# Altium PCB VOU_SOM_CV_V0.0.1.PcbDoc (part 3 of 4)
Units mm, origin at the board's own origin, x right, y up, seen from the top; angles counter-clockwise.
Board outline 61 x 95 mm, 7 copper layers (Top Layer, PWR1, INT1, INT2, INT3, PWR2, Bottom Layer), stack 1.443 mm thick; 497 components, 649 nets, 3023 pads, 1241 vias.
Unrouted connection lines stored in the file: 1434.
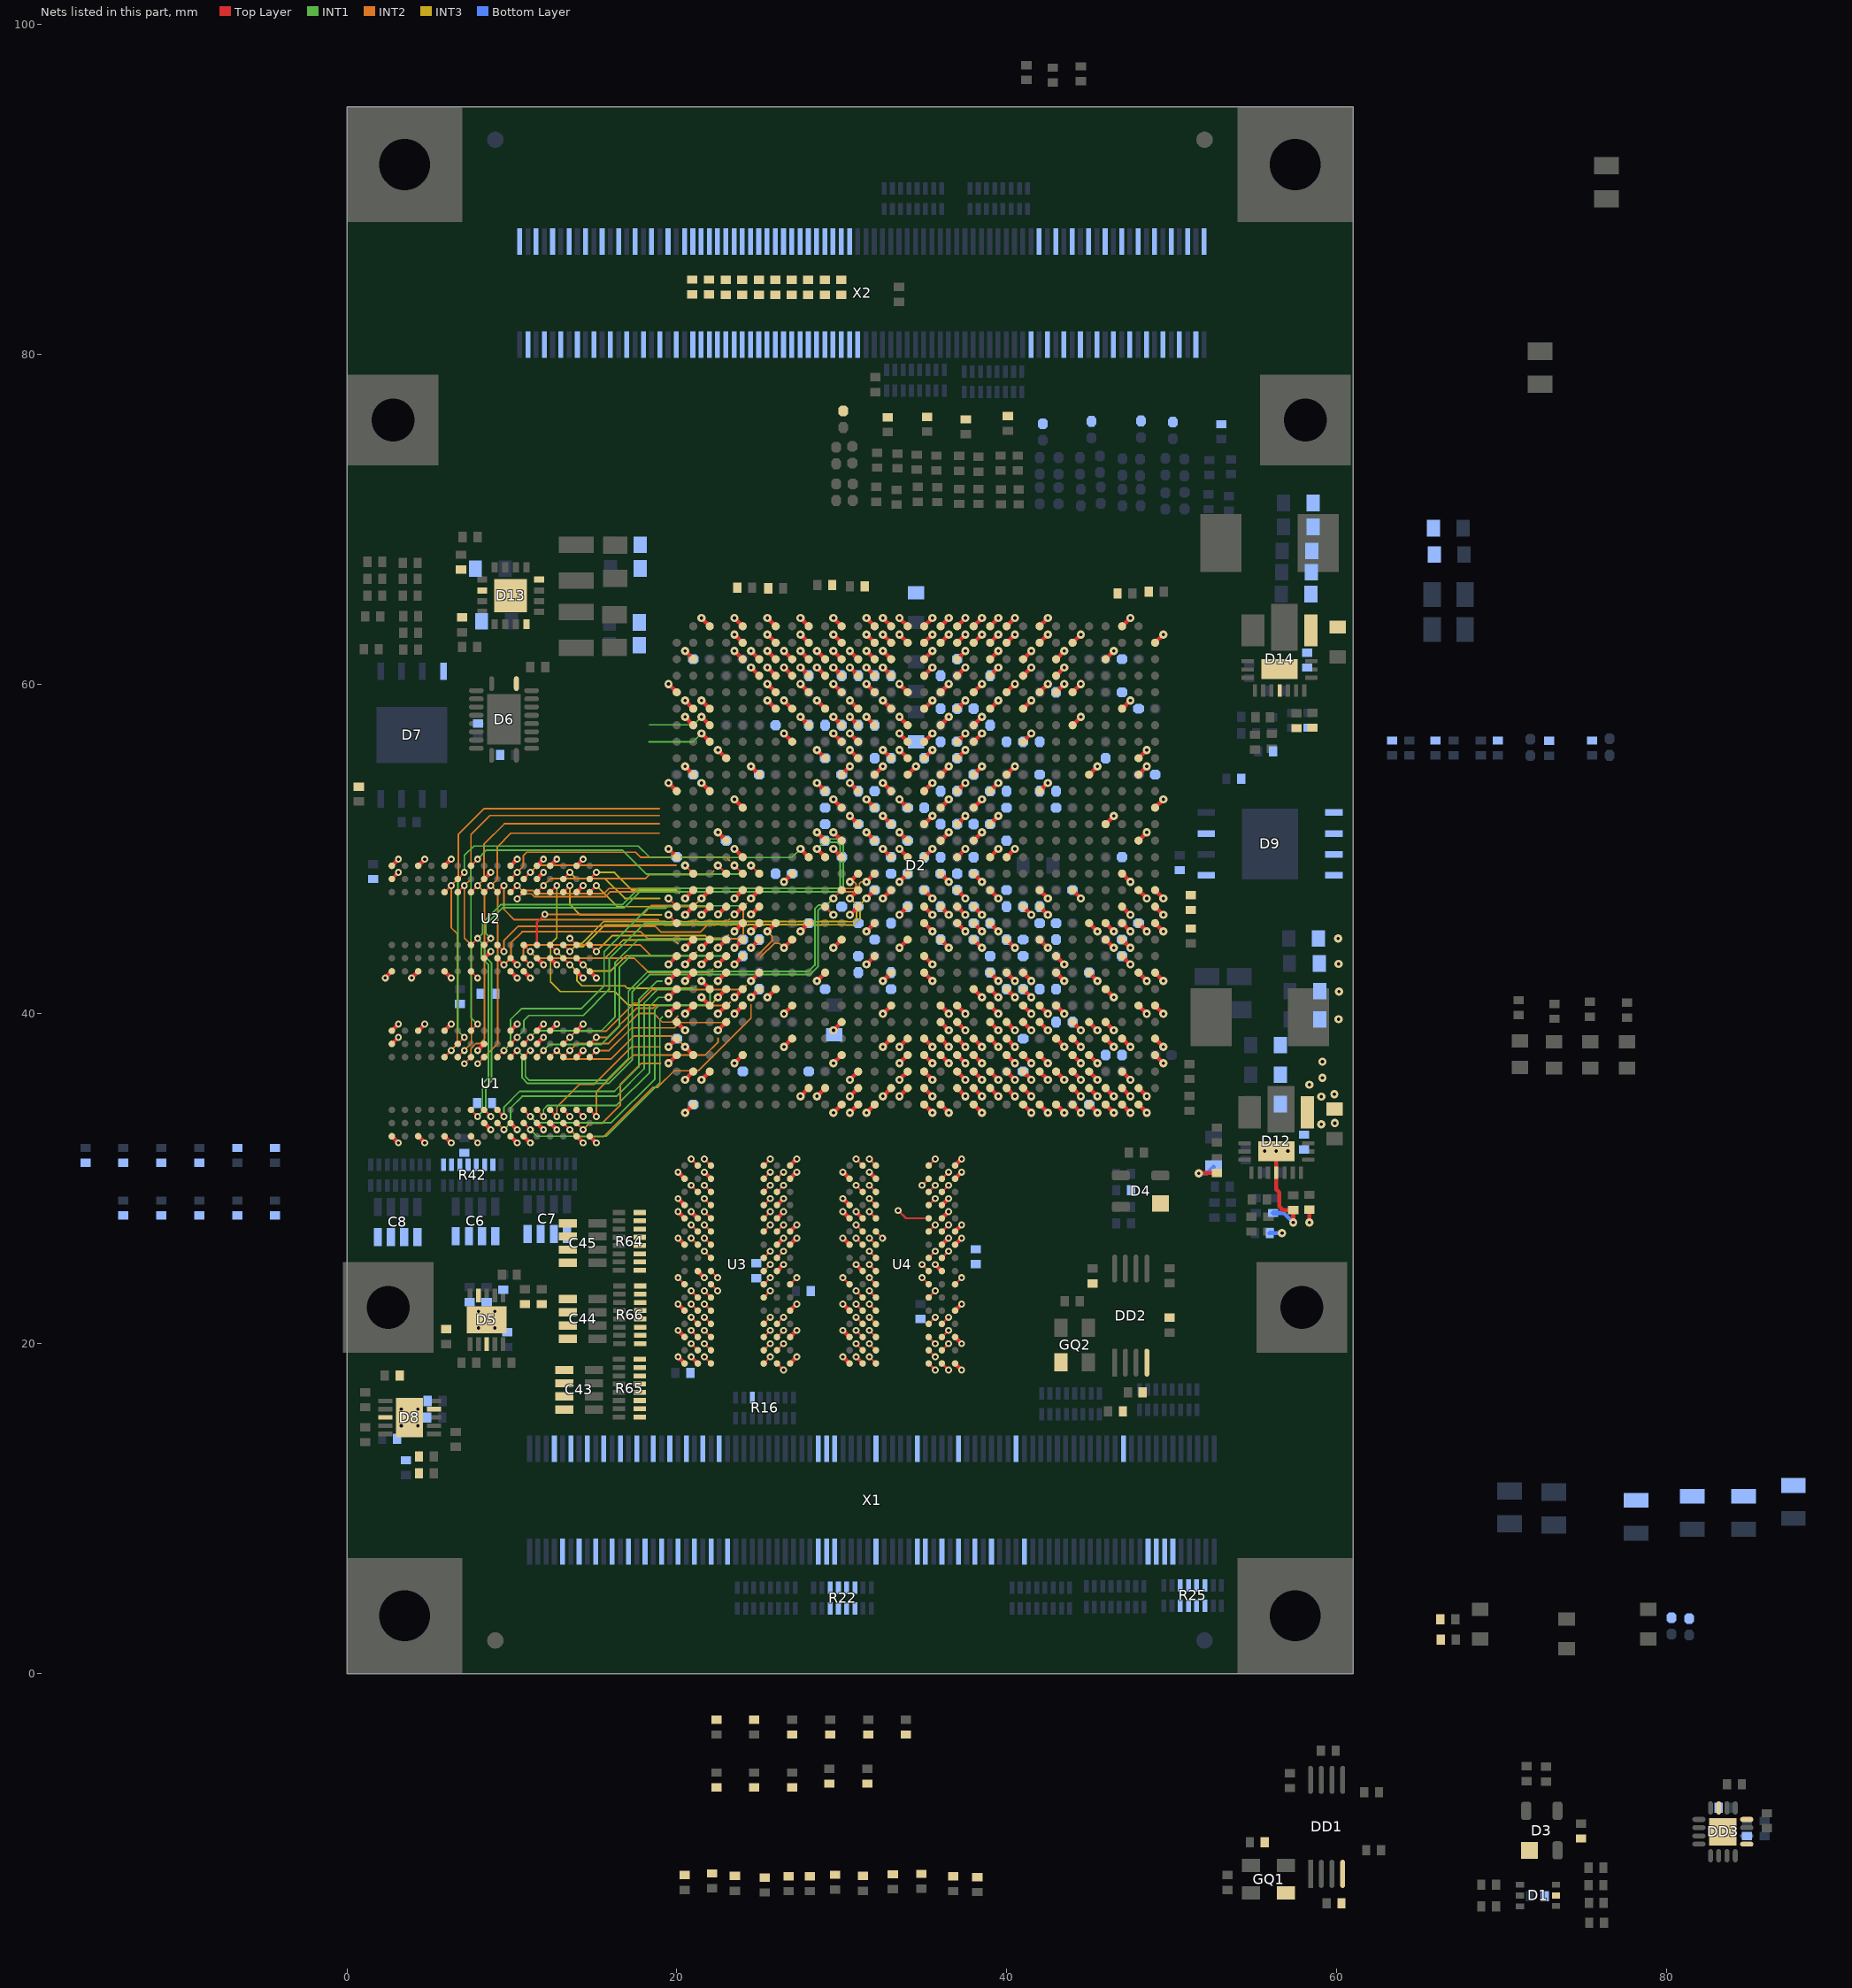
[diagram p6: the nets of this part, all layers, seen from the top]

## Via types
v1: diameter 0.5, hole 0.2, Top Layer to Bottom Layer, 875 vias
v2: diameter 0.42, hole 0.2, Top Layer to Bottom Layer, 366 vias

## Nets (pads, with @x,y where several pads share a name; then routed paths per layer and width w, separated by ;. In a path a pad name is that pad's centre, name@x,y a point inside that pad or via, vN(x,y) a via of type N, cw(c..) or ccw(c..) an arc to the next point about the centre after c; other vN are vias at no path point) (continued)
FPGA_DDR_BA2: D2.AK11 R42.7 U1.M3 U2.M3 | length 28.3
  Top Layer w0.12: U1.M3@5.925,37.375 v2(6.325,37.775) ; U2.M3@5.925,47.375 v2(6.325,47.775)
  Top Layer w0.25: v1(19.5,54) D2.AK11@20,53.5
  INT2 w0.1: v2(6.325,37.775) 6.695,38.145 6.695,44.855 6.325,45.225 v2(6.325,47.775) 6.75,48.2 6.75,50.875 8.325,52.45 18.95,52.45
FPGA_DDR_CAS#: D2.AH7 R42.4 U1.K3 U2.K3 | length 30.6
  Top Layer w0.12: v2(7.125,36.975) U1.K3@7.525,37.375 ; U2.K3@7.525,47.375 v2(7.925,47.775)
  Top Layer w0.25: v1(21.5,58) D2.AH7@22,57.5
  INT1 w0.1: 18.35,57.525 21.025,57.525 v1(21.5,58)
  INT2 w0.1: v2(7.125,36.975) 7.525,37.375 7.525,37.898 7.832,38.205 8.078,38.205 8.35,38.477 8.35,47.35 v2(7.925,47.775) 8.325,48.175 8.325,50.3 9.55,51.525 18.95,51.525
FPGA_DDR_CK_H_N: D2.AA15 R53.1 U1.K7 U2.K7 | length 41
  Top Layer w0.1: U2.K7@7.525,44.175 v2(7.925,44.575)
  Top Layer w0.12: U1.K7@7.525,34.175 v2(7.925,33.775)
  Top Layer w0.25: v1(28.5,50) D2.AA15@29,49.5
  INT1 w0.1: v2(7.925,33.775) 8.225,34.075 8.225,35.758 8.575,36.108 8.575,42.992 8.15,43.417 8.15,44.35 v2(7.925,44.575) 8.225,44.875 8.225,45.508 9.342,46.625 16.717,46.625 17.692,47.6 29.9,47.6 29.9,50.225 29.725,50.4 28.9,50.4 v1(28.5,50)
FPGA_DDR_CK_H_P: D2.AA14 R53.2 U1.J7 U2.J7 | length 41.5
  Top Layer w0.1: U2.J7@8.325,44.175 v2(8.725,44.575)
  Top Layer w0.12: U1.J7@8.325,34.175 v2(8.725,33.775)
  Top Layer w0.25: v1(28.5,51) D2.AA14@29,50.5
  INT1 w0.1: v2(8.725,33.775) 8.425,34.075 8.425,35.592 8.775,35.942 8.775,43.075 8.355,43.495 8.355,44.205 v2(8.725,44.575) 8.425,44.875 8.425,45.425 9.425,46.425 16.8,46.425 17.775,47.4 30.1,47.4 30.1,50.308 29.808,50.6 28.9,50.6 v1(28.5,51)
FPGA_DDR_CKE: D2.AJ21 R42.6 R190.2 U1.K9 U2.K9 | length 1.8
  Top Layer w0.12: U1.K9@7.525,32.575 v2(7.925,32.175) ; U2.K9@7.525,42.575 v2(7.925,42.175)
  Top Layer w0.25: v1(20.5,43) D2.AJ21@21,43.5
FPGA_DDR_CS#: D2.AB15 R42.2 U1.L2 U2.L2 | length 34.3
  Top Layer w0.12: U1.L2@6.725,38.175 v2(7.125,38.575) ; U2.L2@6.725,48.175 v2(7.125,48.575)
  Top Layer w0.25: v1(27.5,50) D2.AB15@28,49.5
  INT1 w0.1: v2(7.125,38.575) 6.725,38.975 6.725,48.175 v2(7.125,48.575) 7.125,49.6 7.7,50.175 17.675,50.175 18.375,49.475 26.975,49.475 v1(27.5,50)
FPGA_DDR_D0: D2.AG16 U2.E3 | length 12
  Top Layer w0.12: U2.E3@11.525,47.375 v2(11.925,47.775) ; v1(22.5,49) D2.AG16@23,48.5
  INT2 w0.1: v2(11.925,47.775) 12.35,48.2 18.1,48.2 18.35,48.45 22.025,48.45 22.25,48.675
FPGA_DDR_D1: D2.AG21 U2.F7 | length 13
  Top Layer w0.12: U2.F7@10.725,44.175 v2(11.125,43.775)
  Top Layer w0.25: v1(22.5,43) D2.AG21@23,43.5
  INT2 w0.1: v2(11.125,43.775) 11.525,43.375 17.425,43.375 18.3,42.5 21.975,42.5 22.187,42.713
FPGA_DDR_D2: D2.AJ16 U2.F2 | length 10.3
  Top Layer w0.12: U2.F2@10.725,48.175 v2(11.125,48.575) ; v1(20.5,49) D2.AJ16@21,48.5
  INT2 w0.1: v2(11.125,48.575) 11.55,49 19.95,49
FPGA_DDR_D3: D2.AH20 U2.F8 | length 13.3
  Top Layer w0.12: U2.F8@10.725,43.375 v2(11.125,42.975)
  Top Layer w0.25: v1(21.5,44) D2.AH20@22,44.5
  INT2 w0.1: v2(11.125,42.975) 10.695,43.405 10.695,43.895 10.975,44.175 17.8,44.175 18.45,43.525 20.975,43.525 21.186,43.736
FPGA_DDR_D4: D2.AH18 U2.H3 | length 14.8
  Top Layer w0.12: U2.H3@9.125,47.375 v2(9.525,47.775)
  Top Layer w0.25: v1(21.5,46) D2.AH18@22,46.5
  INT2 w0.1: v2(9.525,47.775) 9.525,46.325 10.15,45.7 18.875,45.7 19.075,45.5 20.969,45.5 21.18,45.711
FPGA_DDR_D5: D2.AE17 U2.H8 | length 19.3
  Top Layer w0.12: U2.H8@9.125,43.375 v2(9.525,42.975)
  Top Layer w0.25: v1(24.5,47) D2.AE17@25,47.5
  INT2 w0.1: v2(9.525,42.975) 9.95,43.4 9.95,44.3 10.625,44.975 17.825,44.975 18.25,44.55 23.725,44.55 24.025,44.85 24.025,46.475 24.225,46.675
FPGA_DDR_D6: D2.AF16 U2.G2 | length 15.2
  Top Layer w0.12: U2.G2@9.925,48.175 v2(10.325,48.575) ; v1(23.5,49) D2.AF16@24,48.5
  INT2 w0.1: v2(10.325,48.575) 10.695,48.945 10.695,49.595 10.9,49.8 17.5,49.8 17.8,49.5 23,49.5 23.2,49.3
FPGA_DDR_D7: D2.AF18 U2.H7 | length 16.4
  Top Layer w0.12: U2.H7@9.125,44.175 v2(9.525,43.775)
  Top Layer w0.25: v1(23.501,46.027) 23.527,46.027 D2.AF18@24,46.5
  INT2 w0.1: v2(9.525,43.775) 9.525,44.45 10.375,45.3 18.7,45.3 19.05,44.95 21.425,44.95 21.975,45.5 22.963,45.5 23.197,45.734
FPGA_DDR_D8: D2.AJ20 U2.D7 | length 9.3
  Top Layer w0.12: U2.D7@12.325,44.175 v2(12.725,43.775)
  Top Layer w0.25: v1(20.5,44) D2.AJ20@21,44.5
  INT3 w0.1: v2(12.725,43.775) 13.125,43.375 15.65,43.375 16.75,44.475 19.85,44.475 20.075,44.25
FPGA_DDR_D9: D2.AK19 U2.C3 | length 8.2
  Top Layer w0.12: U2.C3@13.125,47.375 v2(13.525,47.775) ; v1(19.5,46) D2.AK19@20,45.5
  INT3 w0.1: v2(13.525,47.775) 13.525,46.625 14.15,46 19.075,46
FPGA_DDR_D10: D2.AH24 U2.C8 | length 9.7
  Top Layer w0.12: U2.C8@13.125,43.375 v2(13.525,42.975)
  Top Layer w0.25: v1(21.5,41) D2.AH24@22,40.5
  INT3 w0.1: v2(13.525,42.975) 13.95,42.55 13.95,42 14.25,41.7 16.85,41.7 17,41.55 21.05,41.55
FPGA_DDR_D11: D2.AK18 U2.C2 | length 7.4
  Top Layer w0.12: U2.C2@13.125,48.175 v2(13.525,48.575) ; v1(19.5,47) D2.AK18@20,46.5
  INT3 w0.1: v2(13.525,48.575) 13.9,48.2 15.65,48.2 16.85,47 18.975,47
FPGA_DDR_D12: D2.AF19 U2.A7 | length 9.8
  Top Layer w0.12: U2.A7@14.725,44.175 v2(15.125,43.775)
  Top Layer w0.25: v1(23.5,45) D2.AF19@24,45.5
  INT3 w0.1: v2(15.125,43.775) 16.1,44.75 21.725,44.75 21.9,44.575 22.925,44.575 23.125,44.775
FPGA_DDR_D13: D2.AJ17 U2.A2 | length 6.8
  Top Layer w0.12: U2.A2@14.725,48.175 v2(15.125,48.575)
  Top Layer w0.25: v1(20.5,47) D2.AJ17@21,47.5
  INT3 w0.1: v2(15.125,48.575) 16.225,48.575 17.3,47.5 19.975,47.5 20.15,47.325
FPGA_DDR_D14: D2.AG20 U2.B8 | length 9.7
  Top Layer w0.12: U2.B8@13.925,43.375 v2(14.325,42.975)
  Top Layer w0.25: v1(22.5,44) D2.AG20@23,44.5
  INT3 w0.1: v2(14.325,42.975) 14.7,42.6 16,42.6 16.925,43.525 21.95,43.525 22.15,43.725
FPGA_DDR_D15: D2.AG18 U2.A3 | length 8.9
  Top Layer w0.12: U2.A3@14.725,47.375 v2(15.125,47.775)
  Top Layer w0.25: v1(22.501,46.027) 22.527,46.027 D2.AG18@23,46.5
  INT3 w0.1: v2(15.125,47.775) 16.4,46.5 22,46.5 22.175,46.325
FPGA_DDR_D16: D2.AF21 U1.E3 | length 17
  Top Layer w0.12: U1.E3@11.525,37.375 v2(11.925,37.775)
  Top Layer w0.25: v1(23.5,43) D2.AF21@24,43.5
  INT1 w0.1: v2(11.925,37.775) 12.3,38.15 15.425,38.15 16.525,39.25 16.525,42.85 17.175,43.5 23,43.5 23.125,43.375
FPGA_DDR_D17: D2.AG22 U1.F7 | length 18.9
  Top Layer w0.12: U1.F7@10.725,34.175 v2(11.125,33.775)
  Top Layer w0.25: v1(22.5,42) D2.AG22@23,42.5
  INT1 w0.1: v2(11.125,33.775) 11.5,33.4 16.025,33.4 18.675,36.05 18.675,40.275 18.925,40.525 21.8,40.525 22.025,40.75 22.025,41.55 22.175,41.7
FPGA_DDR_D18: D2.AF20 U1.F2 | length 17.8
  Top Layer w0.12: U1.F2@10.725,38.175 v2(11.125,38.575)
  Top Layer w0.25: v1(23.5,44) D2.AF20@24,44.5
  INT1 w0.1: v2(11.125,38.575) 11.525,38.975 15.425,38.975 16.25,39.8 16.25,43.1 17.65,44.5 22.95,44.5 23.15,44.3
FPGA_DDR_D19: D2.AK24 U1.F8 | length 14.7
  Top Layer w0.12: U1.F8@10.725,33.375 v2(11.125,32.975)
  Top Layer w0.25: v1(19.5,40) D2.AK24@20,40.5
  INT1 w0.1: v2(11.125,32.975) 11.525,32.575 15.725,32.575 18.975,35.825 18.975,39.65 19.123,39.798
FPGA_DDR_D20: D2.AE18 U1.H3 | length 21.6
  Top Layer w0.12: U1.H3@9.125,37.375 v2(9.525,37.775)
  Top Layer w0.25: v1(24.501,46.027) 24.527,46.027 D2.AE18@25,46.5
  INT1 w0.1: v2(9.525,37.775) 9.925,38.175 9.925,39.65 10.6,40.325 14.225,40.325 15.6,41.7 15.6,43.775 18.225,46.4 19.32,46.4 19.33,46.41 19.335,46.41 19.475,46.55 23.925,46.55 24.1,46.375
FPGA_DDR_D21: D2.AH23 U1.H8 | length 19.4
  Top Layer w0.12: U1.H8@9.125,33.375 v2(9.525,32.975)
  Top Layer w0.25: v1(21.5,42) D2.AH23@22,41.5
  INT1 w0.1: v2(9.525,32.975) 9.925,33.375 9.925,34.3 10.625,35 16.35,35 18.025,36.675 18.025,40.65 18.875,41.5 21,41.5 21.175,41.675
FPGA_DDR_D22: D2.AE19 U1.G2 | length 19.5
  Top Layer w0.12: U1.G2@9.925,38.175 v2(10.325,38.575)
  Top Layer w0.25: v1(24.5,45) D2.AE19@25,45.5
  INT1 w0.1: v2(10.325,38.575) 10.725,38.975 10.725,39.575 11.05,39.9 14.325,39.9 15.9,41.475 15.9,43.325 18.075,45.5 23.95,45.5 24.15,45.3
FPGA_DDR_D23: D2.AK22 U1.H7 | length 17
  Top Layer w0.12: U1.H7@9.125,34.175 v2(9.525,33.775)
  Top Layer w0.25: v1(19.5,42) D2.AK22@20,42.5
  INT1 w0.1: v2(9.525,33.775) 9.525,34.35 10.475,35.3 16.225,35.3 17.7,36.775 17.7,40.875 18.8,41.975 19.09,41.975
FPGA_DDR_D24: D2.AK26 U1.D7 | length 9.6
  Top Layer w0.12: U1.D7@12.325,34.175 v2(12.725,33.775)
  Top Layer w0.25: v1(19.5,38) D2.AK26@20,38.5
  INT2 w0.1: v2(12.725,33.775) 12.725,34.35 14.1,35.725 14.975,35.725 17.25,38 19,38
FPGA_DDR_D25: D2.AJ24 U1.C3 | length 9.1
  Top Layer w0.12: U1.C3@13.125,37.375 v2(13.525,37.775)
  Top Layer w0.25: v1(20.5,40) D2.AJ24@21,40.5
  INT2 w0.1: v2(13.525,37.775) 13.95,38.2 15.875,38.2 17.7,40.025 18.6,40.025 19.125,39.5 19.7,39.5 20.075,39.875
FPGA_DDR_D26: D2.AE23 U1.C8 | length 16.2
  Top Layer w0.12: U1.C8@13.125,33.375 v2(13.525,32.975)
  Top Layer w0.25: v1(24.5,41) D2.AE23@25,41.5
  INT2 w0.1: v2(13.525,32.975) 13.95,32.55 15.575,32.55 18.575,35.55 18.85,35.55 19.85,36.55 21.3,36.55 24.5,39.75 24.5,40.575
FPGA_DDR_D27: D2.AE22 U1.C2 | length 13.3
  Top Layer w0.12: U1.C2@13.125,38.175 v2(13.525,38.575)
  Top Layer w0.25: v1(24.5,42) D2.AE22@25,42.5
  INT2 w0.1: v2(13.525,38.575) 13.9,38.95 15.725,38.95 17.425,40.65 17.7,40.65 18.525,41.475 23.95,41.475 24.2,41.725
FPGA_DDR_D28: D2.AG25 U1.A7 | length 11.6
  Top Layer w0.12: U1.A7@14.725,34.175 v2(15.125,33.775)
  Top Layer w0.25: v1(22.5,39) D2.AG25@23,39.5
  INT2 w0.1: v2(15.125,33.775) 15.125,35.25 17.375,37.5 21.725,37.5 22.5,38.275 22.5,38.525
FPGA_DDR_D29: D2.AF23 U1.A2 | length 10.3
  Top Layer w0.12: U1.A2@14.725,38.175 v2(15.125,38.575)
  Top Layer w0.25: v1(23.5,41) D2.AF23@24,41.5
  INT2 w0.1: v2(15.125,38.575) 15.8,38.575 17.575,40.35 18.575,40.35 18.725,40.5 23.05,40.5 23.25,40.7
FPGA_DDR_D30: D2.AK27 U1.B8 | length 8.4
  Top Layer w0.12: U1.B8@13.925,33.375 v2(14.325,32.975)
  Top Layer w0.25: v1(19.5,37) D2.AK27@20,37.5
  INT2 w0.1: v2(14.325,32.975) 14.725,33.375 15.5,33.375 16.575,34.45 16.575,35.725 17.85,37 19.025,37
FPGA_DDR_D31: D2.AF24 U1.A3 | length 10.1
  Top Layer w0.12: U1.A3@14.725,37.375 v2(15.125,37.775)
  Top Layer w0.25: v1(23.5,40) D2.AF24@24,40.5
  INT2 w0.1: v2(15.125,37.775) 15.9,37.775 17.275,39.15 19.875,39.15 20.2,39.475 22.95,39.475 23.175,39.7
FPGA_DDR_DM0: D2.AH17 U2.E7 | length 12.7
  Top Layer w0.12: U2.E7@11.525,44.175 11.525,45.55 v2(12,46.025)
  Top Layer w0.25: v1(21.5,47) D2.AH17@22,47.5
  INT2 w0.1: v2(12,46.025) 17.925,46.025 18.475,46.575 21.075,46.575 v1(21.5,47)
FPGA_DDR_DM1: D2.AG23 U2.D3 | length 18.2
  Top Layer w0.12: U2.D3@12.325,47.375 v2(12.725,47.775)
  Top Layer w0.25: v1(22.5,41) D2.AG23@23,41.5
  INT3 w0.1: v2(12.725,47.775) 12.725,44.625 12.35,44.25 12.35,41.95 12.95,41.35 16.25,41.35 17.075,40.525 22.025,40.525 v1(22.5,41)
FPGA_DDR_DM2: D2.AK23 U1.E7 | length 14.4
  Top Layer w0.12: U1.E7@11.525,34.175 v2(11.925,33.775)
  Top Layer w0.25: v1(19.5,41) D2.AK23@20,41.5
  INT1 w0.1: v2(11.925,33.775) 11.925,34.2 12.175,34.45 16.35,34.45 18.35,36.45 18.35,40.45 18.9,41 v1(19.5,41)
FPGA_DDR_DM3: D2.AJ27 U1.D3 | length 10.1
  Top Layer w0.12: U1.D3@12.325,37.375 v2(12.725,37.775)
  Top Layer w0.25: v1(20.5,38) D2.AJ27@21,37.5
  INT2 w0.1: v2(12.725,37.775) 13.25,37.25 16,37.25 17.4,38.65 19.85,38.65 v1(20.5,38)
FPGA_DDR_DQS0_N: D2.W16 U2.G3 | length 22.8
  Top Layer w0.12: U2.G3@9.925,47.375 v2(10.325,47.775)
  Top Layer w0.25: v1(30.5,48) D2.W16@31,48.5
  INT2 w0.1: v2(10.325,47.775) 10.625,47.475 11.283,47.475 11.458,47.3 15.592,47.3 15.892,47.6 30.75,47.6 30.875,47.725 30.875,47.875 30.75,48 v1(30.5,48)
FPGA_DDR_DQS0_P: D2.V16 U2.F3 | length 23.2
  Top Layer w0.1: v2(10.325,46.975) U2.F3@10.725,47.375
  Top Layer w0.25: v1(31.5,48) D2.V16@32,48.5
  INT2 w0.1: v2(10.325,46.975) 10.625,47.275 11.2,47.275 11.375,47.1 15.675,47.1 15.975,47.4 30.825,47.4 31.075,47.65 31.075,47.9 31.175,48 v1(31.5,48)
FPGA_DDR_DQS1_N: D2.W17 U2.B7 | length 20.9
  Top Layer w0.1: v2(13.525,44.575) U2.B7@13.925,44.175
  Top Layer w0.25: v1(30.5,47) D2.W17@31,47.5
  INT3 w0.1: v2(13.525,44.575) 13.825,44.275 14.25,44.275 15.575,45.6 19.32,45.6 19.33,45.59 19.67,45.59 19.68,45.6 20.32,45.6 20.33,45.59 20.67,45.59 20.68,45.6 21.32,45.6 21.33,45.59 21.67,45.59 21.68,45.6 22.237,45.6 22.247,45.61 22.753,45.61 22.763,45.6 23.237,45.6 23.247,45.61 23.753,45.61 23.763,45.6 24.237,45.6 24.247,45.61 24.753,45.61 24.763,45.6 25.237,45.6 25.247,45.61 25.753,45.61 25.763,45.6 26.237,45.6 26.247,45.61 26.753,45.61 26.763,45.6 27.237,45.6 27.247,45.61 27.753,45.61 27.763,45.6 28.336,45.6 28.351,45.585 28.69,45.585 28.705,45.6 30.32,45.6 30.33,45.59 30.67,45.59 30.91,45.83 30.91,46.17 30.9,46.18 30.9,46.6 v1(30.5,47)
FPGA_DDR_DQS1_P: D2.V17 U2.C7 | length 21.3
  Top Layer w0.12: U2.C7@13.125,44.175 v2(13.525,43.775)
  Top Layer w0.25: v1(31.5,47) D2.V17@32,47.5
  INT3 w0.1: v2(13.525,43.775) 13.825,44.075 14.333,44.075 15.658,45.4 19.237,45.4 19.247,45.39 19.753,45.39 19.763,45.4 20.237,45.4 20.247,45.39 20.753,45.39 20.763,45.4 21.237,45.4 21.247,45.39 21.753,45.39 21.763,45.4 22.237,45.4 22.247,45.39 22.31,45.39 22.33,45.41 22.67,45.41 22.69,45.39 22.753,45.39 22.763,45.4 23.237,45.4 23.247,45.39 23.31,45.39 23.33,45.41 23.67,45.41 23.69,45.39 23.753,45.39 23.763,45.4 24.237,45.4 24.247,45.39 24.31,45.39 24.33,45.41 24.67,45.41 24.69,45.39 24.753,45.39 24.763,45.4 25.237,45.4 25.247,45.39 25.31,45.39 25.33,45.41 25.67,45.41 25.69,45.39 25.753,45.39 25.763,45.4 26.32,45.4 26.33,45.41 26.67,45.41 26.68,45.4 27.237,45.4 27.247,45.39 27.31,45.39 27.33,45.41 27.67,45.41 27.69,45.39 27.753,45.39 27.763,45.4 28.253,45.4 28.268,45.385 28.773,45.385 28.788,45.4 30.237,45.4 30.247,45.39 30.753,45.39 31.11,45.747 31.11,46.253 31.1,46.263 31.1,46.6 v1(31.5,47)
FPGA_DDR_DQS2_N: D2.AA18 U1.G3 | length 31.1
  Top Layer w0.1: D2.AA18@29,46.5 v1(29.5,46)
  Top Layer w0.12: U1.G3@9.925,37.375 v2(10.325,37.775)
  INT1 w0.1: v2(10.325,37.775) 10.625,37.475 10.625,37.025 10.625,36.117 10.967,35.775 15.875,35.775 17.3,37.2 17.3,41.325 18.35,42.375 28.083,42.375 28.575,42.867 28.575,46.275 28.7,46.4 29.1,46.4 v1(29.5,46)
FPGA_DDR_DQS2_P: D2.Y17 U1.F3 | length 30.7
  Top Layer w0.1: v1(29.5,47) D2.Y17@30,47.5
  Top Layer w0.12: U1.F3@10.725,37.375 v2(11.125,37.775)
  INT1 w0.1: v2(11.125,37.775) 10.825,37.475 10.825,36.8 10.825,36.2 11.05,35.975 15.75,35.975 17.075,37.3 17.075,41.383 18.267,42.575 28,42.575 28.375,42.95 28.375,46.358 28.617,46.6 29.1,46.6 v1(29.5,47)
FPGA_DDR_DQS3_N: D2.AD19 U1.B7 | length 3.2
  Top Layer w0.12: U1.B7@13.925,34.175 v2(14.325,33.775)
  Top Layer w0.25: v1(25.5,45) D2.AD19@26,45.5
  INT2 w0.1: 24.875,43.516 25.775,44.416 25.775,44.725 v1(25.5,45)
FPGA_DDR_DQS3_P: D2.AC20 U1.C7 | length 3.2
  Top Layer w0.12: U1.C7@13.125,34.175 v2(13.525,33.775)
  Top Layer w0.25: v1(26.5,44) D2.AC20@27,44.5
  INT2 w0.1: 25.075,43.434 25.916,44.275 26.225,44.275 v1(26.5,44)
FPGA_DDR_ODT: D2.AE16 R42.1 U1.K1 U2.K1 | length 29.1
  Top Layer w0.12: U1.K1@7.525,38.975 v2(7.925,39.375) ; U2.K1@7.525,48.975 v2(7.925,49.375) ; v1(24.5,49) D2.AE16@25,48.5
  INT1 w0.1: v2(7.925,39.375) 7.525,39.775 7.525,48.975 v2(7.925,49.375) 8.475,49.925 16.7,49.925 18.15,48.475 24.025,48.475
FPGA_DDR_RAS#: D2.AH8 R42.3 U1.J3 U2.J3 | length 29.4
  Top Layer w0.12: v2(7.925,36.975) U1.J3@8.325,37.375 ; U2.J3@8.325,47.375 v2(8.725,47.775)
  Top Layer w0.25: v1(21.5,57) D2.AH8@22,56.5
  INT1 w0.1: 18.325,56.5 21,56.5 v1(21.5,57)
  INT2 w0.1: v2(7.925,36.975) 9.155,38.205 9.155,47.345 v2(8.725,47.775) 9.125,48.175 9.125,50.125 9.95,50.95 18.95,50.95
FPGA_DDR_RST#: D2.AK21 R49.2 U1.T2 U2.T2 | length 1.8
  Top Layer w0.2: U1.T2@2.725,38.175 v2(3.125,38.575) ; U2.T2@2.725,48.175 v2(3.125,48.575)
  Top Layer w0.25: v1(19.5,43) D2.AK21@20,43.5
FPGA_DDR_WE#: D2.AJ6 R42.5 U1.L3 U2.L3 | length 27.4
  Top Layer w0.12: U1.L3@6.725,37.375 v2(7.125,37.775) ; U2.L3@6.725,47.375 v2(7.125,47.775)
  Top Layer w0.25: v1(20.5,59) D2.AJ6@21,58.5
  INT2 w0.1: v2(7.125,37.775) 7.125,37.795 7.55,38.22 7.55,44.175 7.125,44.6 v2(7.125,47.775) 7.525,48.175 7.525,50.875 8.675,52.025 18.95,52.025
GND: C1.2 C2.1 C3.1 C4.1 C5.2 C6.1 C6.2 C6.3 C6.4 C7.1 C7.2 C7.3 C7.4 C8.1 C8.2 C8.3 C8.4 C9.1 C10.1 C11.1 C12.1 C15.2 C16.2 C17.2 C18.2 C19.2 C20.2 C34.1 C35.1 C42.1 C43.1 C43.2 C43.3 C43.4 C44.1 C44.2 C44.3 C44.4 C45.1 C45.2 C45.3 C45.4 C46.2 C47.2 C48.2 C49.2 C50.2 C51.2 C52.1 C53.1 C54.1 C55.1 C56.1 C57.1 C60.1 C61.1 C62.1 C63.1 C64.1 C68.2 C69.2 C70.1 C72.2 C73.2 C75.2 C76.2 C77.2 C78.2 C79.2 C80.2 C81.1 C87.2 C88.2 C89.2 C90.2 C91.2 C92.2 C94.2 C95.2 C96.2 C97.2 C98.2 C99.2 C100.2 C101.1 C103.1 C105.1 C106.1 C107.1 C108.1 C109.1 C110.1 C111.1 C112.2 C113.1 C114.1 C115.1 C116.1 C117.1 C118.1 C119.1 C120.1 C121.1 C122.1 C123.1 C124.1 C125.1 C126.1 C127.1 C128.1 C129.1 C130.1 C131.1 C132.1 C133.1 C134.1 C135.1 C136.1 C137.2 C138.1 C139.1 C140.1 C141.1 C142.1 C143.1 C144.1 C145.1 C146.1 C147.1 C148.1 C149.1 C150.1 C151.1 C152.1 C153.1 C154.2 C155.1 C156.1 C157.1 C158.1 C159.1 C160.1 C161.1 C162.2 C163.2 C164.1 C165.1 C166.1 C167.2 C168.2 C169.2 C170.2 C171.2 C172.2 C173.2 C174.2 C175.2 C176.1 C177.1 C178.1 C179.1 C180.2 C181.2 C182.2 C183.2 C184.2 C185.2 C186.2 C187.2 C188.2 C189.2 C190.2 C191.2 C192.2 C193.2 C194.1 C195.1 C196.1 C197.1 C198.1 C199.1 C200.1 C201.1 C202.2 C203.2 C204.2 C205.2 C206.1 C207.1 C208.1 C209.1 C210.1 C211.1 C212.1 C213.1 C214.1 C215.1 C216.1 C217.1 C218.1 C219.1 C220.1 C221.1 C222.1 C223.1 C224.1 C225.1 C226.1 C227.2 C228.2 C229.1 C230.1 C231.1 C232.1 C233.1 C234.1 C235.1 C236.1 C237.1 C238.1 C239.1 C240.1 C241.1 C242.1 C243.1 C244.1 C245.1 C246.2 C247.2 C248.1 C249.1 C250.1 C251.1 C252.1 C253.1 C254.1 C255.1 C256.1 C257.1 C258.1 C259.1 C260.1 C261.1 C262.1 C263.1 C264.1 C265.1 C266.1 C268.2 C271.1 C272.1 C273.2 C274.2 C275.2 C276.2 C277.2 C278.2 C279.2 C280.2 C281.2 C282.2 D1.2 D2.A2 D2.A12 D2.A17 D2.A22 D2.A26 D2.A27 D2.AA3 D2.AA4 D2.AA6 D2.AA9 D2.AA11 D2.AA22 D2.AA29 D2.AB1 D2.AB2 D2.AB5 D2.AB7 D2.AB19 D2.AB29 D2.AC3 D2.AC4 D2.AC6 D2.AC8 D2.AC16 D2.AC24 D2.AC26 D2.AD1 D2.AD2 D2.AD5 D2.AD6 D2.AD23 D2.AE3 D2.AE4 D2.AE10 D2.AE20 D2.AF1 D2.AF2 D2.AF3 D2.AF12 D2.AF15 D2.AF17 D2.AF27 D2.AG9 D2.AG14 D2.AG24 D2.AH1 D2.AH6 D2.AH11 D2.AH21 D2.AH28 D2.AJ3 D2.AJ7 D2.AJ10 D2.AJ18 D2.AJ22 D2.AJ28 D2.AJ30 D2.AK5 D2.AK15 D2.AK25 D2.B9 D2.B10 D2.B14 D2.B19 D2.B24 D2.B29 D2.C1 D2.C6 D2.C16 D2.C21 D2.C26 D2.D3 D2.D13 D2.D23 D2.D26 D2.E10 D2.E22 D2.E25 D2.E30 D2.F2 D2.F5 D2.F7 D2.F17 D2.F27 D2.G3 D2.G4 D2.G5 D2.G24 D2.H1 D2.H2 D2.H5 D2.H11 D2.J3 D2.J4 D2.J6 D2.J8 D2.J18 D2.J22 D2.J28 D2.K1 D2.K2 D2.K5 D2.K10 D2.K15 D2.K20 D2.K25 D2.L3 D2.L4 D2.L6 D2.L11 D2.L13 D2.L15 D2.L17 D2.L19 D2.L22 D2.M1 D2.M2 D2.M5 D2.M7 D2.M8 D2.M10 D2.M12 D2.M14 D2.M16 D2.M18 D2.M20 D2.M29 D2.N3 D2.N4 D2.N6 D2.N8 D2.N9 D2.N11 D2.N13 D2.N15 D2.N17 D2.N19 D2.N26 D2.P1 D2.P2 D2.P5 D2.P7 D2.P10 D2.P12 D2.P14 D2.P16 D2.P18 D2.P20 D2.R3 D2.R4 D2.R6 D2.R8 D2.R9 D2.R11 D2.R13 D2.R15 D2.R17 D2.R30 D2.T1 D2.T2 D2.T5 D2.T7 D2.T10 D2.T12 D2.T14 D2.T15 D2.T16 D2.T18 D2.T20 D2.T27 D2.U3 D2.U4 D2.U6 D2.U9 D2.U11 D2.U13 D2.U15 D2.U17 D2.U22 D2.U24 D2.U29 D2.V1 D2.V2 D2.V5 D2.V7 D2.V10 D2.V12 D2.V14 D2.V19 D2.V21 D2.W3 D2.W4 D2.W6 D2.W9 D2.W11 D2.W13 D2.W18 D2.W28 D2.Y1 D2.Y2 D2.Y5 D2.Y7 D2.Y8 D2.Y10 D2.Y12 D2.Y14 D2.Y15 D2.Y20 D2.Y25 D2.Y27 D2.Y30 D3.1 D4.1 D5.4 D5.8 D5.11 D6.11 D7.4 D8.4 D8.8 D8.11 D9.4 D12.11 D13.4 D13.8 D13.14 D13.17 D14.11 DD1.4 DD2.4 DD3.1 DD3.4 DD3.7 DD3.17 GQ1.2 GQ2.2 R28.1 R30.1 R32.1 R33.1 R47.2 R48.2 R57.2 R59.1 R62.1 R68.2 R69.1 R70.2 R72.1 R76.1 R124.1 R127.1 R138.1 R150.1 R157.1 R159.2 R168.1 R180.2 R190.1 R195.1 R196.1 R197.1 R198.1 R199.1 U1.A9 U1.B1 U1.B3 U1.B9 U1.D1 U1.D8 U1.E1 U1.E2 U1.E8 U1.F9 U1.G1 U1.G8 U1.G9 U1.J2 U1.J8 U1.M1 U1.M9 U1.P1 U1.P9 U1.T1 U1.T9 U2.A9 U2.B1 U2.B3 U2.B9 U2.D1 U2.D8 U2.E1 U2.E2 U2.E8 U2.F9 U2.G1 U2.G8 U2.G9 U2.J2 U2.J8 U2.M1 U2.M9 U2.P1 U2.P9 U2.T1 U2.T9 U3.A9 U3.B1 U3.B3 U3.B9 U3.D1 U3.D8 U3.E1 U3.E2 U3.E8 U3.F9 U3.G1 U3.G8 U3.G9 U3.J2 U3.J8 U3.M1 U3.M9 U3.P1 U3.P9 U3.T1 U3.T9 U4.A9 U4.B1 U4.B3 U4.B9 U4.D1 U4.D8 U4.E1 U4.E2 U4.E8 U4.F9 U4.G1 U4.G8 U4.G9 U4.J2 U4.J8 U4.M1 U4.M9 U4.P1 U4.P9 U4.T1 U4.T9 X1.8 X1.9 X1.12 X1.13 X1.16 X1.17 X1.20 X1.21 X1.24 X1.25 X1.28 X1.29 X1.32 X1.33 X1.36 X1.37 X1.40 X1.41 X1.44 X1.45 X1.48 X1.49 X1.75 X1.76 X1.85 X1.86 X1.95 X1.96 X1.97 X1.101 X1.105 X1.109 X1.113 X1.120 X1.121 X1.146 X1.151 X2.1 X2.4 X2.5 X2.8 X2.9 X2.12 X2.13 X2.16 X2.17 X2.20 X2.21 X2.24 X2.25 X2.28 X2.29 X2.32 X2.33 X2.36 X2.37 X2.40 X2.41 X2.44 X2.86 X2.87 X2.90 X2.91 X2.94 X2.95 X2.98 X2.99 X2.102 X2.103 X2.106 X2.107 X2.110 X2.111 X2.114 X2.115 X2.118 X2.119 X2.122 X2.123 X2.126 X2.127 X2.130 X2.131 X2.134 X2.135 X2.138 X2.139 X2.142 X2.143 X2.146 X2.147 X2.150 X2.151 X2.154 X2.155 X2.158 X2.159 X2.162 X2.163 X2.166 X2.167 | length 199